# Altium PCB PCB2.PcbDoc (part 1 of 2) (continued)
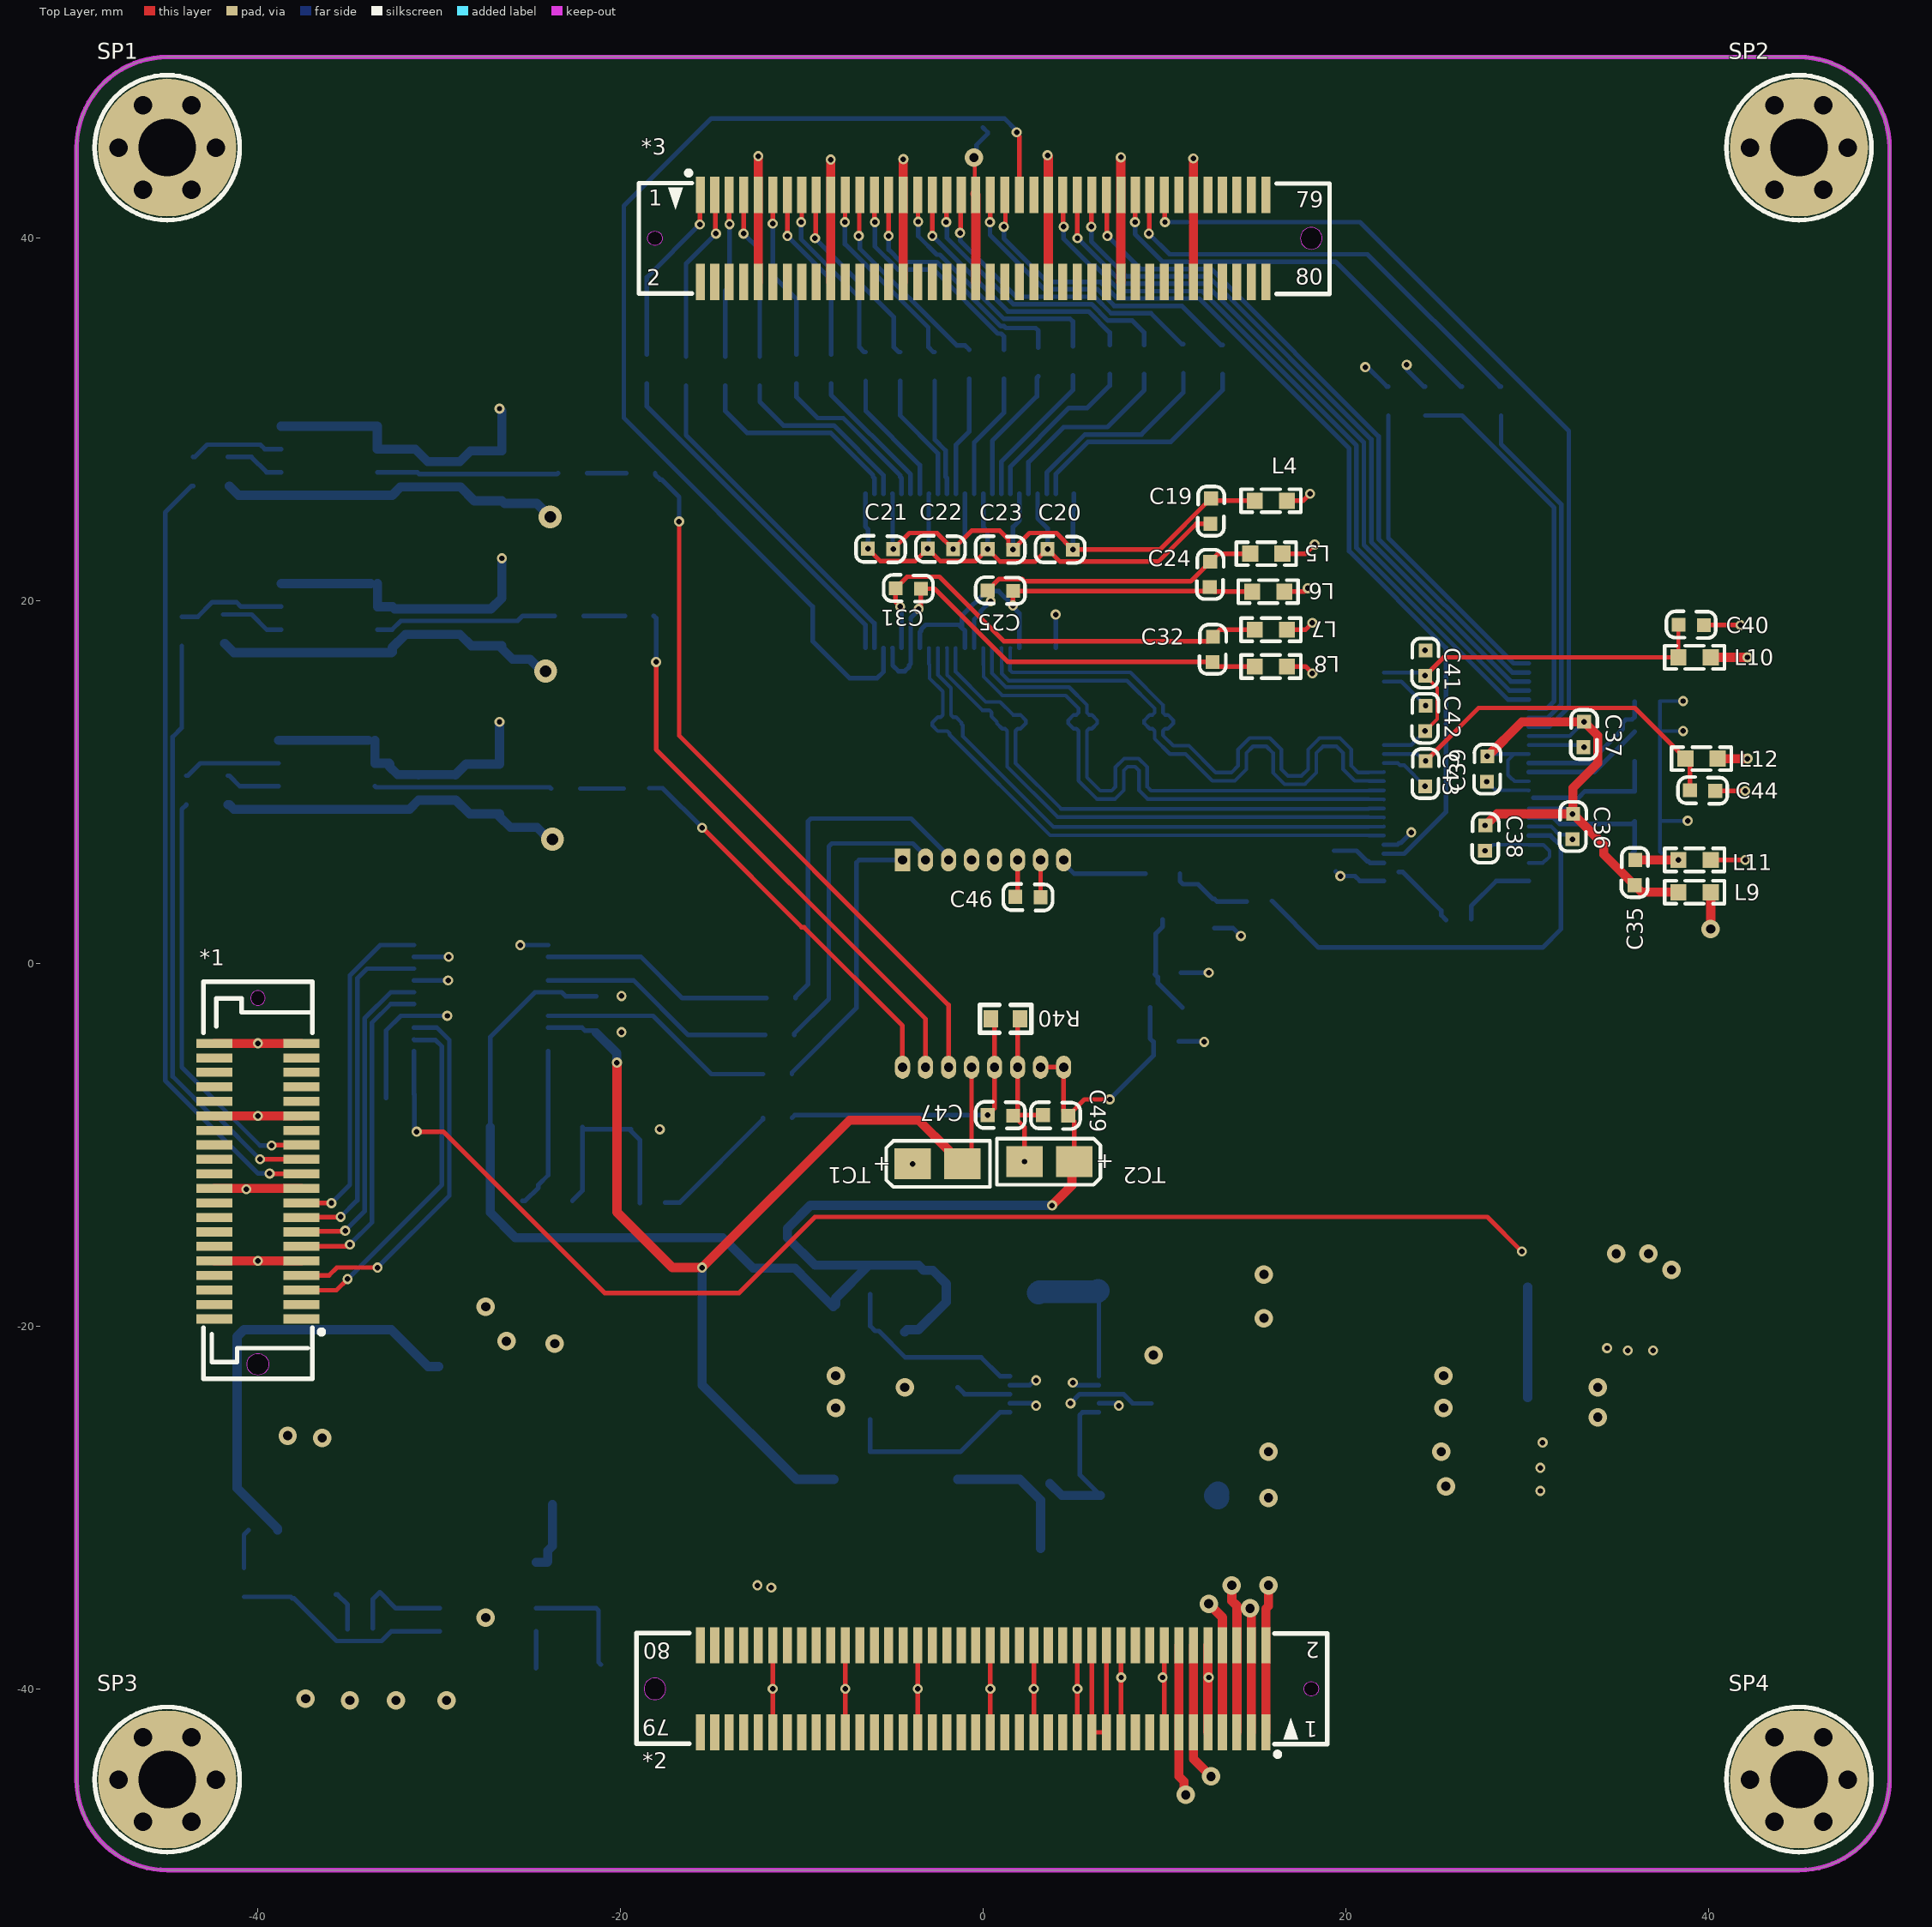
[diagram p0: Top Layer view]
## Footprints (in the part's own frame and the unit in brackets; to place one, negate y for a bottom-side part, rotate by r counter-clockwise, add the part's x,y. Pads: shape width x height; smd on the part's side, far side on the other; paste and mask are expansions set on the pad)
0603C [mil]
  rect 30x30 smd: 1(0.21,-0.35) 2(55.21,-1.35)
  silkscreen extent -26,-30 81,28, body extent -1,-15 62,16, height 12
0603L [mil] "小功率贴片电感"
  rect 35x35 smd: 1(0,0) 2(70,0)
  silkscreen extent -30,-25 100,25, body extent 4,-16 66,15, height 31
0603R [mm]
  rect 0.8x0.965 smd: 1(0,0) 2(1.6,0)
  silkscreen extent -0.64,-0.76 2.21,0.76, body extent -0.04,-0.41 1.56,0.41, height 0.45
BTB-08-40-M [mm] "BTB 母座，0.8mm间距"
  rect 0.5x2 smd mask+0.051: 1(-7.6,-2.4) 2(-7.6,2.4) 3(-6.8,-2.4) 4(-6.8,2.4) 5(-6,-2.4) 6(-6,2.4) 7(-5.2,-2.4) 8(-5.2,2.4) 9(-4.4,-2.4) 10(-4.4,2.4) 11(-3.6,-2.4) 12(-3.6,2.4) 13(-2.8,-2.4) 14(-2.8,2.4) 15(-2,-2.4) 16(-2,2.4) 17(-1.2,-2.4) 18(-1.2,2.4) 19(-0.4,-2.4) 20(-0.4,2.4) 21(0.4,-2.4) 22(0.4,2.4) 23(1.2,-2.4) 24(1.2,2.4) 25(2,-2.4) 26(2,2.4) 27(2.8,-2.4) 28(2.8,2.4) 29(3.6,-2.4) 30(3.6,2.4) 31(4.4,-2.4) 32(4.4,2.4) 33(5.2,-2.4) 34(5.2,2.4) 35(6,-2.4) 36(6,2.4) 37(6.8,-2.4) 38(6.8,2.4) 39(7.6,-2.4) 40(7.6,2.4)
  Keep-Out Layer board cut-out: 9.7,0 9.73,-0.153 9.817,-0.283 9.947,-0.37 10.1,-0.4 10.1,-0.4 10.253,-0.37 10.383,-0.283 10.47,-0.153 10.5,0 10.5,0 10.47,0.153 10.383,0.283 10.253,0.37 10.1,0.4 10.1,0.4 9.947,0.37 9.817,0.283 9.73,0.153 9.7,0
  Keep-Out Layer board cut-out: -10.1,-0.6 -10.33,-0.554 -10.524,-0.424 -10.654,-0.23 -10.7,0 -10.7,0 -10.654,0.229 -10.524,0.424 -10.33,0.554 -10.1,0.6 -10.1,0.6 -9.87,0.554 -9.676,0.424 -9.546,0.229 -9.5,0 -9.5,0 -9.546,-0.23 -9.676,-0.424 -9.87,-0.554 -10.1,-0.6
  silkscreen extent -10.9,-3.63 11,3, body extent -10.89,-3.12 10.91,2.88, height 3.85
BTB-08-80-G [mm] "BTB 公座，0.8mm间距"
  rect 0.5x2 smd mask+0.051: 1(-15.6,2.4) 2(-15.6,-2.4) 3(-14.8,2.4) 4(-14.8,-2.4) 5(-14,2.4) 6(-14,-2.4) 7(-13.2,2.4) 8(-13.2,-2.4) 9(-12.4,2.4) 10(-12.4,-2.4) 11(-11.6,2.4) 12(-11.6,-2.4) 13(-10.8,2.4) 14(-10.8,-2.4) 15(-10,2.4) 16(-10,-2.4) 17(-9.2,2.4) 18(-9.2,-2.4) 19(-8.4,2.4) 20(-8.4,-2.4) 21(-7.6,2.4) 22(-7.6,-2.4) 23(-6.8,2.4) 24(-6.8,-2.4) 25(-6,2.4) 26(-6,-2.4) 27(-5.2,2.4) 28(-5.2,-2.4) 29(-4.4,2.4) 30(-4.4,-2.4) 31(-3.6,2.4) 32(-3.6,-2.4) 33(-2.8,2.4) 34(-2.8,-2.4) 35(-2,2.4) 36(-2,-2.4) 37(-1.2,2.4) 38(-1.2,-2.4) 39(-0.4,2.4) 40(-0.4,-2.4) 41(0.4,2.4) 42(0.4,-2.4) 43(1.2,2.4) 44(1.2,-2.4) 45(2,2.4) 46(2,-2.4) 47(2.8,2.4) 48(2.8,-2.4) 49(3.6,2.4) 50(3.6,-2.4) 51(4.4,2.4) 52(4.4,-2.4) 53(5.2,2.4) 54(5.2,-2.4) 55(6,2.4) 56(6,-2.4) 57(6.8,2.4) 58(6.8,-2.4) 59(7.6,2.4) 60(7.6,-2.4) 61(8.4,2.4) 62(8.4,-2.4) 63(9.2,2.4) 64(9.2,-2.4) 65(10,2.4) 66(10,-2.4) 67(10.8,2.4) 68(10.8,-2.4) 69(11.6,2.4) 70(11.6,-2.4) 71(12.4,2.4) 72(12.4,-2.4) 73(13.2,2.4) 74(13.2,-2.4) 75(14,2.4) 76(14,-2.4) 77(14.8,2.4) 78(14.8,-2.4) 79(15.6,2.4) 80(15.6,-2.4)
  Keep-Out Layer board cut-out: 17.5,0 17.546,-0.23 17.676,-0.424 17.87,-0.554 18.1,-0.6 18.1,-0.6 18.33,-0.554 18.524,-0.424 18.654,-0.23 18.7,0 18.7,0 18.654,0.23 18.524,0.424 18.33,0.554 18.1,0.6 18.1,0.6 17.87,0.554 17.676,0.424 17.546,0.23 17.5,0
  Keep-Out Layer board cut-out: -18.099,-0.4 -18.253,-0.37 -18.382,-0.283 -18.469,-0.153 -18.499,0 -18.499,0 -18.469,0.153 -18.382,0.283 -18.253,0.37 -18.099,0.4 -18.099,0.4 -17.946,0.37 -17.817,0.283 -17.73,0.153 -17.699,0 -17.699,0 -17.73,-0.153 -17.817,-0.283 -17.946,-0.37 -18.099,-0.4
  silkscreen extent -18.99,-3.07 19.11,3.73
CCD424 [mil]
  rect 50x33 hole 20: 1(-225,175)
  oval 50x33 hole 20: 2(-225,125) 3(-225,75) 4(-225,25) 5(-225,-25) 6(-225,-75) 7(-225,-125) 8(-225,-175) 9(225,-175) 10(225,-125) 11(225,-75) 12(225,-25) 13(225,25) 14(225,75) 15(225,125) 16(225,175)
  silkscreen extent -163,-200 163,200
CXD3400N [mm] "SSOP20"
  rect 1.8x0.4 smd: 1(-3.7,2.925)
  oval 1.8x0.4 smd: 2(-3.7,2.275) 3(-3.7,1.625) 4(-3.7,0.975) 5(-3.7,0.325) 6(-3.7,-0.325) 7(-3.7,-0.975) 8(-3.7,-1.625) 9(-3.7,-2.275) 10(-3.7,-2.925) 11(3.7,-2.925) 12(3.7,-2.275) 13(3.7,-1.625) 14(3.7,-0.975) 15(3.7,-0.325) 16(3.7,0.325) 17(3.7,0.975) 18(3.7,1.625) 19(3.7,2.275) 20(3.7,2.925)
  silkscreen extent -3.83,-3.56 2.07,4.13, body extent -3.85,-3.6 3.85,3.6, height 1.65
L-SMD-0630 [mm] "一体化成型电感"
  rect 3x3.5 smd: 1(-3.175,0) 2(3.175,0)
  silkscreen extent -3.66,-3.48 3.66,3.48, body extent -3.47,-3.3 3.48,3.3
LT1945EMS [mm] "MSOP10"
  rect 1.4x0.28 smd: 1(-2.45,1)
  oval 1.4x0.28 smd: 2(-2.45,0.5) 3(-2.45,0) 4(-2.45,-0.5) 5(-2.45,-1) 6(2.45,-1) 7(2.45,-0.5) 8(2.45,0) 9(2.45,0.5) 10(2.45,1)
  silkscreen extent -1.3,-1.3 1.3,1.3, body extent -2.42,-1.52 2.48,1.48, height 0.95
M3x5_N [mil] "M3铜柱，长：5mm"
  round 40 hole 40: 1(-106,0) 1(-53,-91.8) 1(-53,91.8) 1(53,-91.8) 1(53,91.8) 1(106,0)
  round 300 hole 125: 1(0,0)
  silkscreen extent -157,-157 157,157, body extent -106,-93 106,93, height 199
SMA/DO-214AC [mm] "塑封二极管"
  rect 2x3 smd: A(-0.127,0) K(4.953,0)
  silkscreen extent -1.63,-1.75 6.48,1.75, body extent 0.11,-1.35 4.71,1.35, height 2.4
SMD-EC6.3X6.3X10 [mm]
  rect 3.3x2.132 smd: 1(0.021,0) 2(4.921,0)
  silkscreen extent -0.88,-3.5 5.84,3.5, body extent -1.09,-3.3 5.91,3.3, height 5.4
SOIC-8 [mm]
  oval 2.2x0.6 smd: 1(-2.654,1.905) 2(-2.654,0.635) 3(-2.654,-0.635) 4(-2.654,-1.905) 5(2.654,-1.905) 6(2.654,-0.635) 7(2.654,0.635) 8(2.654,1.905)
  silkscreen extent -2.06,-2.5 1.27,3.2, body extent -3,-2.5 3,2.5, height 1.9
SOT23-3 [mm]
  rect 0.6x1.4 smd: 1(0,0) 2(1.9,0) 3(0.95,2.514)
  silkscreen extent -0.55,1.07 2.45,1.97, body extent -0.59,-0.11 2.41,2.29, height 1.05
SOT223_L [mm] "6.4x7x1.6mm(长宽高)"
  rect 0.75x1.7 smd: 1(-2.3,-3.048) 2(0,-3.048) 3(2.3,-3.048)
  rect 3.1x1.7 smd: 2(0,3.048)
  silkscreen extent -3.5,-3.88 3.25,1.75, body extent -3.25,-3.51 3.25,3.51, height 1.65
TAJ-A/3216 [mm]
  rect 2x1.7 smd: 1(0.047,0) 2(2.794,0)
  silkscreen extent -1.4,-1.27 4.32,1.27, body extent -0.2,-0.8 3,0.8, height 1.6
TSSOP-48 [mm] "12.50×6.10×0.95 e=0.50 封装库来自淘宝卖家 ID：黄晶宝石"
  rect 2x0.279 smd: 1(0,0)
  oval 2x0.279 smd: 2(0,-0.5) 3(0,-1) 4(0,-1.5) 5(0,-2) 6(0,-2.5) 7(0,-3) 8(0,-3.5) 9(0,-4) 10(0,-4.5) 11(0,-5) 12(0,-5.5) 13(0,-6) 14(0,-6.52) 15(0,-7) 16(0,-7.5) 17(0,-8) 18(0,-8.5) 19(0,-9) 20(0,-9.5) 21(0,-10) 22(0,-10.5) 23(0,-11) 24(0,-11.5) 25(8.5,-11.5) 26(8.5,-11) 27(8.5,-10.5) 28(8.5,-10) 29(8.5,-9.5) 30(8.5,-9) 31(8.5,-8.5) 32(8.5,-8) 33(8.5,-7.5) 34(8.5,-7) 35(8.5,-6.5) 36(8.5,-6) 37(8.5,-5.5) 38(8.5,-5) 39(8.5,-4.5) 40(8.5,-4) 41(8.5,-3.5) 42(8.5,-3) 43(8.5,-2.5) 44(8.5,-2) 45(8.5,-1.5) 46(8.5,-1) 47(8.5,-0.5) 48(8.5,0)
  silkscreen extent 1.5,-12 7.08,0.5, body extent 0.09,-11.96 8.29,0.54, height 1.1
TSSOP-56 [mil]
  rect 70x10 smd: 1(0,0)
  oval 70x10 smd: 2(0,-19.68) 3(0,-39.37) 4(0,-59.05) 5(0,-78.74) 6(0,-98.43) 7(0,-118.11) 8(0,-137.8) 9(0,-157.48) 10(0,-177.16) 11(0,-196.85) 12(0,-216.53) 13(0,-236.22) 14(0,-255.9) 15(0,-275.59) 16(0,-295.27) 17(0,-314.96) 18(0,-334.64) 19(0,-354.33) 20(0,-374.01) 21(0,-393.7) 22(0,-413.38) 23(0,-433.07) 24(0,-452.76) 25(0,-472.44) 26(0,-492.12) 27(0,-511.81) 28(0,-531.49) 29(314.96,-531.49) 30(314.96,-511.81) 31(314.96,-492.13) 32(314.96,-472.44) 33(314.96,-452.76) 34(314.96,-433.07) 35(314.96,-413.38) 36(314.96,-393.7) 37(314.96,-374.01) 38(314.96,-354.33) 39(314.96,-334.64) 40(314.96,-314.96) 41(314.96,-295.27) 42(314.96,-275.59) 43(314.96,-255.9) 44(314.96,-236.22) 45(314.96,-216.53) 46(314.96,-196.85) 47(314.96,-177.16) 48(314.96,-157.48) 49(314.96,-137.8) 50(314.96,-118.11) 51(314.96,-98.43) 52(314.96,-78.74) 53(314.96,-59.05) 54(314.96,-39.37) 55(314.96,-19.68) 56(314.96,0)
  silkscreen extent 49,-551 266,20, body extent -5,-542 316,12, height 45

## Part data
1 C1 C2 C3 C4 C5 C6 C7 C8 C9 C10 C11 C12 C13 C14 C15 C16 C17 C18 C19 C20 C21 C22 C23 C24 C25 C26 C27 C28 C29 C30 C31 C32 C33 C34 C35 C36 C37 C38 C39 C40 C41 C42 C43 C44 C45 C46 C47 C48 C49 C50 C51 C52 C53 C54 C55 C56 C57 C58 C59 C60: library part CAP, "无极性电容"
*4: "双通道升降压DCDC"
*5: "降压型DC-DC"
*7: "6通道垂直时钟驱动器"
D1 D2 D3 D4: library part DIODE, "普通二极管"
D5: "普通二极管"
EC1: library part ECAP, "贴片电解电容"
L1 L2 L3: library part L, "INDUCTOR"
L4 L5 L6 L7 L8 L9 L10 L11 L12 L13: library part FB, "铁氧体磁珠", Current Rating=200mA, DC Resistance=450mΩ, Impedance @ Frequency=600Ω@100MHz, JLCPCB Part Class="Basic Part", LCSC Part Name="600Ω@100MHz ±25%", Manufacturer=Sunlord(顺络), Tolerance=±25%, Add into BOM=yes, Circuits=1, Convert to PCB=yes, Datasheet=https://atta.szlcsc.com/upload/public/pdf/source/20210830/355EA7C0FAC5394FC0FE3F17C770C20A.pdf, Device=GZ1608D601TF, Manufacturer Part=GZ1608D601TF, Name=GZ1608D601TF, Supplier=LCSC, Supplier Footprint=0603, Supplier Part=C1002, Symbol=GZ1608D601TF
Q1: "NPN三极管"
R1 R2 R3 R4 R5 R6 R7 R8 R9 R10 R11 R12 R13 R14 R15 R16 R17 R18 R19 R20 R21 R22 R23 R24 R25 R26 R27 R28 R29 R30 R31 R32 R33 R34 R35 R36 R37 R40 R41 R42 R43 R44 R45 R46 R47 R48 R49 R50 R51 R52 R53 R54 R55 R56 R57: library part RES, "电阻"
SP1 SP2 SP3 SP4: library part 铜柱大焊盘, "铜柱", BOM名称=铜柱, 学习资源=https://shop463601444.taobao.com, 版权归属="封装库来自淘宝 ID：黄晶宝石"
TC1 TC2 TC3 TC4 TC5 TC6: library part TCAP, "钽电容"
U1: "解串芯片", JLCPCB Part Class="Extended Part", Manufacturer=TI(德州仪器), Add into BOM=yes, Convert to PCB=yes, Device=DS90CR218AMTDX/NOPB, LCSC Part Name=DS90CR218AMTDX/NOPB, Manufacturer Part=DS90CR218AMTDX/NOPB, Name=DS90CR218AMTDX/NOPB, Supplier=LCSC, Supplier Footprint=TSSOP-48, Supplier Part=C2674207, Symbol=DS90CR218AMTDX/NOPB
U2: "CCD专用ADC", JLCPCB Part Class="Extended Part", Manufacturer=TI(德州仪器), Add into BOM=yes, Convert to PCB=yes, Device=LM98725CCMTX/NOPB, LCSC Part Name=LM98725CCMTX/NOPB, Manufacturer Part=LM98725CCMTX/NOPB, Name=LM98725CCMTX/NOPB, Supplier=LCSC, Supplier Footprint=TSSOP-56, Supplier Part=C2679405, Symbol=LM98725CCMTX/NOPB
U3 U4 U5: library part EL7156CSZ-T7, "栅极驱动器", JLCPCB Part Class="Extended Part", Manufacturer=Intersil(英特矽尔), Add into BOM=yes, Convert to PCB=yes, Datasheet=https://atta.szlcsc.com/upload/public/pdf/source/20190409/C382008_2839965C4C72C039364B6D8C7260FFBC.pdf, Device=EL7156CSZ-T7_C382008, LCSC Part Name=EL7156CSZ-T7, Manufacturer Part=EL7156CSZ-T7, Name=EL7156CSZ-T7, Supplier=LCSC, Supplier Footprint=SOIC-8, Supplier Part=C382008, Symbol=EL7156CSZ-T7
V1: library part AMS1117, "LDO", BOM名称=稳压芯片, 封装库来自淘宝卖家：黄晶宝石=其他店铺购入的买家，请立即申请退款，本店现金奖励200~1000元

## Via types
v1: diameter 0.559, hole 0.305, Top Layer to Bottom Layer, 137 vias
v2: diameter 1.016, hole 0.508, Top Layer to Bottom Layer, 35 vias
v3: diameter 1.27, hole 0.635, Top Layer to Bottom Layer, 3 vias

## Nets (pads, with @x,y where several pads share a name; then routed paths per layer and width w, separated by ;. In a path a pad name is that pad's centre, name@x,y a point inside that pad or via, vN(x,y) a via of type N, cw(c..) or ccw(c..) an arc to the next point about the centre after c; other vN are vias at no path point)
3v3: *7.1 C6.2 C7.2 C56.2 L4.1 L5.1 L7.1 L9.1 L10.1 L12.1 V1.2 | length 88.4
  Top Layer w0.254: v1(-31.242,-9.271) -29.767,-9.271 -20.877,-18.161 -13.462,-18.161 -9.271,-13.97 27.813,-13.97 v1(29.718,-15.875) ; L5.1@16.51,22.606 17.78,22.606 v1(18.288,23.114) ; L7.1@16.764,18.415 17.78,18.415 v1(18.161,18.796) ; L4.1@16.764,25.527 17.653,25.527 v1(18.034,25.908)
  Top Layer w0.508: v2(40.132,1.905) L9.1@40.132,3.937 ; L10.1@40.132,16.891 v1(42.164,16.891) ; L12.1@40.513,11.303 v1(42.164,11.303)
  Bottom Layer w0.254: C56.2@-31.386,-7.197 *7.1@-31.386,-4.83 ; C56.2@-31.369,-7.214 -31.369,-9.144 v1(-31.242,-9.271)
  Bottom Layer w0.508: V1.2@30.043,-23.939 V1.2@30.043,-17.843
  other v2: 37.973,-16.891 34.925,-16.002 36.703,-16.002
3V3IN: *2.23 *2.24 *2.25 *2.26 | length 10.4
  Top Layer w0.254: *2.26@6,-37.6 *2.25@6,-42.4 *2.23@6.8,-42.4 *2.24@6.8,-37.6
15V: 1.2 *6.9 *6.10 *7.15 C9.2 C10.2 C49.2 C58.2 D3.K D5.A L13.2 R4.2 TC2.1 | length 88.7
  Top Layer w0.254: *6.10@3.175,-5.715 *6.9@4.445,-5.715 4.445,-8.128 C49.2@4.699,-8.382 ; TC2.1@5.033,-10.922 5.033,-8.716 C49.2@4.699,-8.382 ; v1(6.985,-7.493) 5.588,-7.493 C49.2@4.699,-8.382
  Top Layer w0.508: v1(3.81,-13.335) 3.81,-13.321 4.895,-12.236 4.895,-11.06 TC2.1@5.033,-10.922
  Bottom Layer w0.254: D5.A@-27.178,-9.017 -27.178,-4.044 -24.714,-1.58 *7.15@-23.986,-1.58 -23.246,-1.58 -23.014,-1.812 C58.2@-21.341,-1.812 ; v1(6.985,-7.493) 9.398,-5.08 1.2@9.398,-4.318 9.207,-4.127 L13.2@9.207,-2.413
  Bottom Layer w0.508: D5.A@-27.178,-9.017 -27.178,-13.728 -25.793,-15.113 -14.367,-15.113 -12.677,-16.803 -10.375,-16.803 -9.652,-17.526 -8.423,-18.755 C9.2@-8.255,-18.923 -8.128,-18.796 -8.128,-18.46 R4.2@-6.305,-16.637 ; C10.2@-4.318,-20.32 -4.191,-20.193 -3.564,-20.193 -2.032,-18.661 D3.K@-2.032,-18.161 -2.032,-17.661 -2.778,-16.915 -3.278,-16.915 -3.556,-16.637 R4.2@-6.223,-16.637 R4.2@-6.305,-16.637 ; v1(3.81,-13.335) -9.525,-13.335 -10.795,-14.605 -10.795,-15.113 -9.271,-16.637 R4.2@-6.305,-16.637
+5: C12.2 C51.1 C52.1 C54.1 C55.1 C59.1 C60.1 EC1.1 L3.2 R5.2 R48.1 R52.1 R55.1 TC3.1 TC5.1 TC6.1 U3.1 U3.8 U4.1 U4.8 U5.1 U5.8 | length 81.3
  Bottom Layer w0.254: R48.1@-41.91,17.653 R48.1@-41.828,17.653 ; R55.1@-41.656,26.34 R55.1@-41.574,26.34
  Bottom Layer w0.508: R48.1@-41.828,17.653 -41.32,17.145 U3.1@-38.709,17.145 U3.8@-33.401,17.145 -32.626,17.145 -32.583,17.187 -32.583,17.434 -31.856,18.161 C51.1@-30.734,18.161 C52.1@-28.854,18.161 -28.219,17.526 TC3.1@-26.543,17.526 -26.543,17.376 -25.947,16.78 -24.987,16.78 -24.336,16.129 v3(-24.13,16.129) ; R52.1@-41.656,8.763 -41.574,8.763 -41.32,8.509 U4.1@-38.849,8.509 U4.8@-33.541,8.509 -31.637,8.509 C55.1@-31.124,9.022 -31.121,9.02 -29.086,9.02 C54.1@-29.083,9.017 -28.321,8.255 TC5.1@-26.67,8.255 -26.67,8.105 -26.074,7.509 -24.606,7.509 -23.955,6.858 v3(-23.749,6.858) ; R55.1@-41.574,26.34 -41.066,25.832 U5.1@-38.722,25.832 U5.8@-33.414,25.832 -32.589,25.832 -32.132,26.289 C60.1@-30.607,26.289 C59.1@-28.829,26.289 -28.067,25.527 TC6.1@-26.543,25.527 -26.393,25.377 -24.615,25.377 v3(-23.876,24.638) ; R5.2@-38.913,-31.242 -38.913,-31.16 -41.148,-28.925 -41.148,-20.574 -40.767,-20.193 -32.641,-20.193 -30.609,-22.225 EC1.1@-30.025,-22.225
  other v2: -23.622,-20.955 -26.289,-20.828 -27.432,-18.923
+5IN: *2.11 *2.12 *2.13 *2.14 C4.2 C5.2 V1.3 | length 16
  Top Layer w0.508: *2.14@10.8,-37.6 *2.13@10.8,-42.4 10.8,-44.826 11.079,-45.104 11.079,-45.75 v2(11.176,-45.847) ; *2.12@11.6,-37.6 *2.11@11.6,-42.4 11.604,-42.404 11.604,-43.862 v2(12.573,-44.831)
  other v2: 25.527,-28.829 25.273,-26.924 25.4,-24.511 25.4,-22.733
+12: *2.1 *2.2 *2.3 *2.4 *2.5 *2.6 *2.7 *2.8 *4.2 *4.4 *4.8 *5.2 C8.1 C13.2 C14.2 C15.2 L1.1 L2.1 R6.2 | length 39
  Top Layer w0.508: v2(12.446,-35.306) 13.2,-36.06 *2.7@13.2,-42.4 ; v2(13.716,-34.29) 13.726,-34.3 13.726,-35.149 14,-35.423 *2.6@14,-37.6 *2.5@14,-42.4 ; v2(14.732,-35.56) 14.732,-35.574 14.8,-35.642 *2.3@14.8,-42.4 ; *2.1@15.6,-42.4 *2.2@15.6,-37.6 15.6,-35.585 15.748,-35.437 v2(15.748,-34.29)
  Bottom Layer w0.254: *4.2@1.487,-24.249 2.703,-24.249 2.839,-24.384 v1(2.921,-24.384) ; *4.4@1.487,-23.249 2.577,-23.249 2.839,-22.987 v1(2.921,-22.987) ; v1(4.826,-24.257) 5.334,-23.749 *4.8@6.387,-23.749 7.744,-23.749 8.252,-24.257 C8.1@9.296,-24.257
  Bottom Layer w1.27: L1.1@12.954,-29.464 L1.1@12.827,-29.337 L1.1@12.954,-29.21
  other v1: -11.684,-34.417 -12.446,-34.29
  other v2: 15.748,-29.464 15.748,-26.924 15.494,-19.558 15.494,-17.145
-7V5: *6.13 *7.18 C2.1 C3.1 C57.2 D1.A R1.2 TC1.2 | length 59.4
  Top Layer w0.254: TC1.2@-1.143,-11.049 -0.635,-10.541 *6.13@-0.635,-5.715
  Top Layer w0.508: v1(-20.193,-5.461) -20.193,-13.716 -17.145,-16.764 v1(-15.494,-16.764) -7.366,-8.636 -3.556,-8.636 -1.889,-10.303 -1.889,-10.453 -1.293,-11.049 TC1.2@-1.143,-11.049
  Bottom Layer w0.254: *7.18@-23.986,-3.53 -22.124,-3.53 -21.949,-3.705 -21.441,-3.705 C57.2@-21.336,-3.81
  Bottom Layer w0.508: C57.2@-21.336,-3.81 -20.203,-4.943 -20.203,-5.451 v1(-20.193,-5.461) ; v1(-15.494,-16.764) -15.494,-23.241 -10.287,-28.448 C2.1@-8.23,-28.448
ADC_CAL: *3.57 U2.5 | length 38.8
  Top Layer w0.254: *3.57@6.8,42.4 6.829,42.371 6.829,40.161 v1(6.858,40.132)
  Bottom Layer w0.254: v1(6.858,40.132) 8.682,38.308 12.589,38.308 21.819,29.078 21.819,23.425 29.187,16.057 U2.5@30.098,16.057
ADC_IBIAS: C30.1 R37.2 U2.21 | length 7.9
  Bottom Layer w0.254: U2.21@30.098,8.057 31.44,8.057 31.801,7.696 35.789,7.696 C30.1@35.941,7.849 35.941,6.223 R37.2@35.814,6.096
ADC_INCLK: *3.43 U2.32 | length 52.9
  Top Layer w0.254: v1(1.143,40.64) 1.235,40.732 1.235,42.365 *3.43@1.2,42.4
  Bottom Layer w0.254: v1(1.143,40.64) 1.143,40.005 3.556,37.592 6.49,37.592 7.4,36.682 11.915,36.682 20.193,28.405 20.193,22.752 25.527,17.418 25.527,8.354 23.23,6.057 U2.32@22.098,6.057
ADC_RST: *3.55 U2.6 | length 40.1
  Top Layer w0.254: v1(5.969,40.64) 5.985,40.656 5.985,42.384 *3.55@6,42.4
  Bottom Layer w0.254: v1(5.969,40.64) 5.969,39.837 7.905,37.901 12.42,37.901 21.412,28.91 21.412,23.257 29.112,15.557 U2.6@30.098,15.557
ADC_SCLK: *3.63 R26.1 | length 25.1
  Top Layer w0.254: v1(9.144,40.259) 9.172,40.287 9.172,42.372 *3.63@9.2,42.4
  Bottom Layer w0.254: v1(9.144,40.259) 10.282,39.121 21.198,39.121 28.493,31.826 R26.1@28.575,31.826
ADC_SDI: *3.51 U2.8 | length 41.9
  Top Layer w0.254: *3.51@4.4,42.4 4.423,42.378 4.423,40.662 v1(4.445,40.64)
  Bottom Layer w0.254: v1(4.445,40.64) 4.445,39.977 5.918,38.504 6.153,38.504 7.568,37.089 12.084,37.089 20.599,28.573 20.599,22.92 28.962,14.557 U2.8@30.098,14.557
ADC_SDO: *3.61 R24.1 | length 23.7
  Top Layer w0.254: v1(8.382,40.894) 8.391,40.903 8.391,42.391 *3.61@8.4,42.4
  Bottom Layer w0.254: v1(8.382,40.894) 8.382,40.231 9.899,38.714 19.445,38.714 26.334,31.826 R24.1@26.416,31.826
ADC_SEN: *3.65 U2.11 | length 46.5
  Top Layer w0.254: *3.65@10,42.4 10.017,42.384 10.017,40.91 v1(10.033,40.894)
  Bottom Layer w0.254: v1(10.033,40.894) 20.785,40.894 32.309,29.37 32.309,14.141 31.224,13.057 U2.11@30.098,13.057
ADC_SH_R: *3.53 U2.7 | length 40.9
  Top Layer w0.254: *3.53@5.2,42.4 5.204,42.397 5.204,40.008 v1(5.207,40.005)
  Bottom Layer w0.254: v1(5.207,40.005) 5.226,40.005 7.736,37.495 12.252,37.495 21.006,28.741 21.006,23.088 29.037,15.057 U2.7@30.098,15.057
ADC_VA: C35.2 C36.2 C37.2 C38.2 C39.2 L9.2 U2.12 U2.14 U2.17 U2.20 | length 36.7
  Top Layer w0.508: v1(27.686,7.62) C38.2@27.711,7.62 28.346,8.255 v1(32.512,8.255) 32.537,8.28 32.537,9.685 33.909,11.057 33.909,12.573 v1(33.147,13.335) 29.718,13.335 v1(27.813,11.43) ; C36.2@32.537,8.255 34.239,6.553 34.239,6.02 C35.2@35.941,4.318 36.322,3.937 L9.2@38.354,3.937
  Bottom Layer w0.203: v1(27.813,11.43) 27.909,11.43 28.036,11.557 U2.14@30.098,11.557 30.088,11.547 29.288,11.547 28.955,11.215 28.955,10.399 29.178,10.176 29.203,10.176 29.322,10.057 U2.17@30.098,10.057 ; U2.20@30.098,8.557 32.114,8.557 32.416,8.255 v1(32.512,8.255) ; U2.12@30.098,12.557 32.369,12.557 v1(33.147,13.335)
ADC_VC: C40.2 C41.2 C42.2 L10.2 U2.44 U2.52 | length 24.8
  Top Layer w0.203: v1(24.384,12.827) 25.044,13.487 25.044,15.215 v1(24.384,15.875) ; L10.2@38.354,16.891 C40.2@38.354,18.694
  Top Layer w0.254: v1(24.384,15.875) 25.4,16.891 L10.2@38.354,16.891
  Bottom Layer w0.203: U2.44@22.098,12.057 23.614,12.057 v1(24.384,12.827) ; U2.52@22.098,16.057 24.106,16.057 24.288,15.875 v1(24.384,15.875)
ADC_VCLP: C28.1 C29.1 U2.19 | length 7.4
  Bottom Layer w0.254: U2.19@30.353,9.151 32.845,9.151 33.194,9.5 C28.1@35.941,9.5 C29.1@35.941,11.151
ADC_VD: C43.2 C44.2 L12.2 U2.43 | length 21
  Top Layer w0.254: v1(24.409,11.176) 27.33,14.097 35.941,14.097 L12.2@38.735,11.303 38.989,11.049 C44.2@38.989,9.55
  Bottom Layer w0.203: U2.43@22.098,11.557 23.964,11.557 24.345,11.176 v1(24.409,11.176)
ADC_VREFB: C26.1 U2.15 | length 7.9
  Bottom Layer w0.254: U2.15@30.098,11.057 33.387,11.057 35.281,12.95 35.281,13.298 35.444,13.462 35.792,13.462 35.941,13.611 C26.1@35.941,14.453
ADC_VREFT: C27.1 U2.16 | length 6.8
  Bottom Layer w0.254: U2.16@30.098,10.557 33.696,10.557 C27.1@35.941,12.802
AGND: 1.1 *6.5 *6.7 *6.11 *7.4 *7.7 *7.9 *7.11 C26.2 C27.2 C28.2 C29.2 C30.2 C35.1 C36.1 C37.1 C38.1 C39.1 C45.1 C46.2 C47.1 C49.1 C51.2 C52.2 C54.2 C55.2 C56.1 C57.1 C58.1 C59.2 C60.2 L11.2 R37.1 R40.1 R41.1 R51.1 TC1.1 TC2.2 TC3.2 TC5.2 TC6.2 U2.13 U2.18 U2.22 U2.24 U2.26 U3.4 U3.5 U3.6 U4.4 U4.5 U4.6 U5.4 U5.5 U5.6 | length 106.6
  Top Layer w0.254: R40.1@2.032,-3.048 1.905,-3.175 *6.11@1.905,-5.715 1.905,-8.128 C47.1@1.676,-8.357 ; v1(2.286,-10.922) 2.286,-9.017 C47.1@1.651,-8.382 C47.1@1.676,-8.357 ; C46.2@3.175,3.658 *6.7@3.175,5.715 ; C49.1@3.302,-8.357 C47.1@1.676,-8.357
  Top Layer w0.508: C35.1@35.966,5.715 v1(38.354,5.715)
  Bottom Layer w0.203: v1(27.686,6.223) 27.782,6.223 28.116,6.557 U2.24@30.098,6.557 30.108,6.547 30.909,6.547 31.241,6.215 31.241,5.899 31.018,5.676 30.993,5.676 30.874,5.557 U2.26@30.098,5.557 ; v1(27.788,10.033) 28.264,9.557 U2.18@30.098,9.557 U2.18@30.088,9.547 ; U2.22@30.098,7.557 31.336,7.557 31.781,7.112 32.215,7.112 32.469,6.858 v1(32.512,6.858) ; U2.13@30.098,12.057 32.932,12.057 33.051,11.938 v1(33.147,11.938) ; R37.1@37.414,6.096 37.338,6.172 C30.2@37.338,7.874 ; v1(38.608,12.827) C27.2@37.338,12.827 ; v1(38.608,14.478) C26.2@37.338,14.478 C27.2@37.338,12.827 ; v1(38.862,7.874) C30.2@37.338,7.874 ; C30.2@37.338,7.874 C28.2@37.338,9.525 C29.2@37.338,11.176 C27.2@37.338,12.827
  Bottom Layer w0.254: U4.5@-33.909,12.319 U4.5@-33.541,12.319 ; U3.5@-33.782,20.955 U3.5@-33.401,20.955 ; C56.1@-32.932,-7.405 -32.932,-3.698 -32.114,-2.88 *7.4@-31.386,-2.88 v1(-29.55,-2.88) ; *7.7@-31.386,-0.93 v1(-29.505,-0.93) ; *7.9@-31.386,0.37 v1(-29.475,0.37) ; C55.2@-31.149,10.419 C55.2@-31.144,10.414 ; v1(-25.523,1.02) *7.11@-23.986,1.02 ; 1.1@10.795,-4.293 12.167,-4.293 v1(12.192,-4.318) ; C45.1@10.922,-0.508 v1(12.446,-0.508) ; R41.1@12.763,1.956 13.792,1.956 v1(14.224,1.524)
  Bottom Layer w0.508: U4.4@-38.849,12.319 U4.5@-33.909,12.319 ; U5.4@-38.722,29.642 U5.5@-33.414,29.642 U5.6@-33.414,28.372 -31.318,28.372 C60.2@-30.632,27.686 C59.2@-28.854,27.686 -28.266,28.274 TC6.2@-26.543,28.274 -26.543,30.48 v1(-26.67,30.607) ; U3.4@-38.709,20.955 U3.5@-33.782,20.955 ; U4.5@-33.541,12.319 U4.6@-33.541,11.049 -32.766,11.049 -32.723,11.007 -32.723,10.85 -32.292,10.419 C55.2@-31.149,10.419 ; U3.5@-33.401,20.955 U3.6@-33.401,19.685 -32.576,19.685 -32.449,19.558 C51.2@-30.759,19.558 C52.2@-28.88,19.558 -27.139,19.558 -26.543,20.154 TC3.2@-26.543,20.273 v1(-26.543,22.352) ; C55.2@-31.144,10.414 -31.141,10.417 -29.111,10.417 C54.2@-29.108,10.414 -28.52,11.002 TC5.2@-26.67,11.002 v1(-26.67,13.335)
  other v1: -3.89,-11.049 -17.831,-9.144 -19.939,-3.785 -19.944,-1.787
B13_L8_N: *3.35 R33.2 | length 16.1
  Top Layer w0.254: v1(-2.032,40.894) -2.016,40.91 -2.016,42.384 *3.35@-2,42.4
  Bottom Layer w0.254: v1(-2.032,40.894) -1.998,40.86 -1.998,40.031 1.66,36.373 5.985,36.373 6.895,35.463 8.225,35.463 8.89,34.798 R33.2@8.89,34.112
B13_L8_P: *3.37 R34.2 | length 17.2
  Top Layer w0.254: v1(-1.27,40.296) -1.235,40.331 -1.235,42.365 *3.37@-1.2,42.4
  Bottom Layer w0.254: v1(-1.27,40.296) -1.266,40.292 -1.266,39.874 1.829,36.779 6.153,36.779 7.063,35.869 9.26,35.869 10.967,34.163 R34.2@11.049,34.163
B13_L9_N: *3.31 R30.2 | length 14.1
  Top Layer w0.254: *3.31@-3.6,42.4 -3.589,42.389 -3.589,40.927 v1(-3.578,40.916)
  Bottom Layer w0.254: v1(-3.578,40.916) -3.578,40.126 -2.552,39.099 -2.39,39.099 1.149,35.56 4.804,35.56 4.953,35.411 R30.2@4.953,34.036
B13_L9_P: *3.33 R31.2 | length 14.9
  Top Layer w0.254: *3.33@-2.8,42.4 -2.797,42.397 -2.797,40.135 v1(-2.794,40.132)
  Bottom Layer w0.254: v1(-2.794,40.132) 1.372,35.966 5.817,35.966 6.985,34.798 R31.2@6.985,34.112
B13_L10_N: *3.27 R29.2 | length 14.1
  Top Layer w0.254: v1(-5.207,40.132) -5.204,40.135 -5.204,42.397 *3.27@-5.2,42.4
  Bottom Layer w0.254: v1(-5.207,40.132) -5.207,39.37 -4.53,38.693 -2.558,38.693 0.981,35.154 1.163,35.154 1.264,35.052 2.899,35.052 3.048,34.903 R29.2@3.048,33.985
B13_L10_P: *3.25 R28.2 | length 12.8
  Top Layer w0.254: *3.25@-6,42.4 -5.985,42.384 -5.985,40.91 v1(-5.969,40.894)
  Bottom Layer w0.254: v1(-5.969,40.894) -5.969,39.557 -4.698,38.287 -2.727,38.287 0.813,34.747 0.994,34.747 1.143,34.598 R28.2@1.143,33.858
B13_L11_N: *3.23 R25.2 | length 11.4
  Top Layer w0.254: v1(-6.858,40.132) -6.829,40.161 -6.829,42.371 *3.23@-6.8,42.4
  Bottom Layer w0.254: v1(-6.858,40.132) -6.8,40.074 -6.8,39.439 -1.447,34.086 -0.99,34.086 R25.2@-0.762,33.858
B13_L11_P: *3.21 R23.2 | length 10.8
  Top Layer w0.254: v1(-7.62,40.894) -7.61,40.904 -7.61,42.39 *3.21@-7.6,42.4
  Bottom Layer w0.254: v1(-7.62,40.894) -7.62,39.684 -3.022,35.087 -3.022,34.004 -2.749,33.731 R23.2@-2.667,33.731
B13_L12_N: *3.17 R21.2 | length 10.7
  Top Layer w0.254: v1(-9.271,40.005) -9.236,40.04 -9.236,42.365 *3.17@-9.2,42.4
  Bottom Layer w0.254: v1(-9.271,40.005) -4.927,35.661 -4.927,34.004 -4.654,33.731 R21.2@-4.572,33.731
B13_L12_P: *3.15 R20.2 | length 10.2
  Top Layer w0.254: v1(-10.033,40.894) -10,40.927 *3.15@-10,42.4
  Bottom Layer w0.254: v1(-10.033,40.894) -10.033,39.945 -6.832,36.744 -6.832,34.004 -6.559,33.731 R20.2@-6.477,33.731
B13_L13_N: *3.13 R18.2 | length 9.8
  Top Layer w0.254: *3.13@-10.8,42.4 -10.798,42.398 -10.798,40.135 v1(-10.795,40.132)
  Bottom Layer w0.254: v1(-10.795,40.132) -8.382,37.719 R18.2@-8.382,33.604
B13_L13_P: *3.11 R17.2 | length 9.4
  Top Layer w0.254: *3.11@-11.6,42.4 v1(-11.6,40.81) v1@-11.557,40.767
  Bottom Layer w0.254: v1(-11.6,40.81) -11.6,37.959 -10.287,36.646 R17.2@-10.287,33.604
B13_L15_N: *3.7 R14.2 | length 9.3
  Top Layer w0.254: v1(-13.208,40.259) -13.204,40.263 -13.204,42.396 *3.7@-13.2,42.4
  Bottom Layer w0.254: v1(-13.208,40.259) -12.319,39.37 R14.2@-12.319,33.477
B13_L15_P: *3.5 R13.2 | length 9
  Top Layer w0.254: *3.5@-14,42.4 -14,40.797 v1(-13.985,40.782) v1@-13.97,40.767
  Bottom Layer w0.254: R13.2@-14.224,33.477 -14.224,37.105 -13.985,37.344 v1(-13.985,40.782)
B13_L16_N: *3.3 R36.2 | length 9.6
  Top Layer w0.254: *3.3@-14.8,42.4 -14.766,42.366 -14.766,40.293 v1(-14.732,40.259)
  Bottom Layer w0.254: R36.2@-16.383,33.477 -16.383,38.608 v1(-14.732,40.259)
B13_L16_P: *3.1 R12.2 | length 10
  Top Layer w0.254: v1(-15.621,40.767) -15.611,40.777 -15.611,42.39 *3.1@-15.6,42.4
  Bottom Layer w0.254: R12.2@-18.542,33.604 -18.542,37.846 v1(-15.621,40.767)
B14_L11_N: *3.41 R35.2 | length 17.6
  Top Layer w0.254: v1(0.381,40.894) 0.4,40.913 *3.41@0.4,42.4
  Bottom Layer w0.254: v1(0.381,40.894) 0.381,40.192 3.388,37.186 6.322,37.186 7.231,36.276 10.962,36.276 13.126,34.112 R35.2@13.208,34.112
B14_L14_N: *3.45 R32.2 U1.22 | length 62.1
  Top Layer w0.254: v1(1.854,45.847) 1.854,45.765 2,45.619 *3.45@2,42.4
  Bottom Layer w0.254: U1.22@-5.492,17.408 -5.492,16.098 -5.842,15.748 -7.366,15.748 -9.398,17.78 -9.398,19.685 -19.812,30.099 -19.812,41.783 -14.986,46.609 1.175,46.609 1.854,45.929 v1(1.854,45.847)